# Altium PCB Thermostat_8CH.PCBDOC (part 4 of 10)
Units mil, origin at the board's own origin, x right, y up, seen from the top; angles counter-clockwise.
Board outline 8409.08 x 3937.01 mil, 4 copper layers (TOP, G1, L2, BOT), stack 61.024 mil thick; 941 components, 513 nets, 2912 pads, 1409 vias.
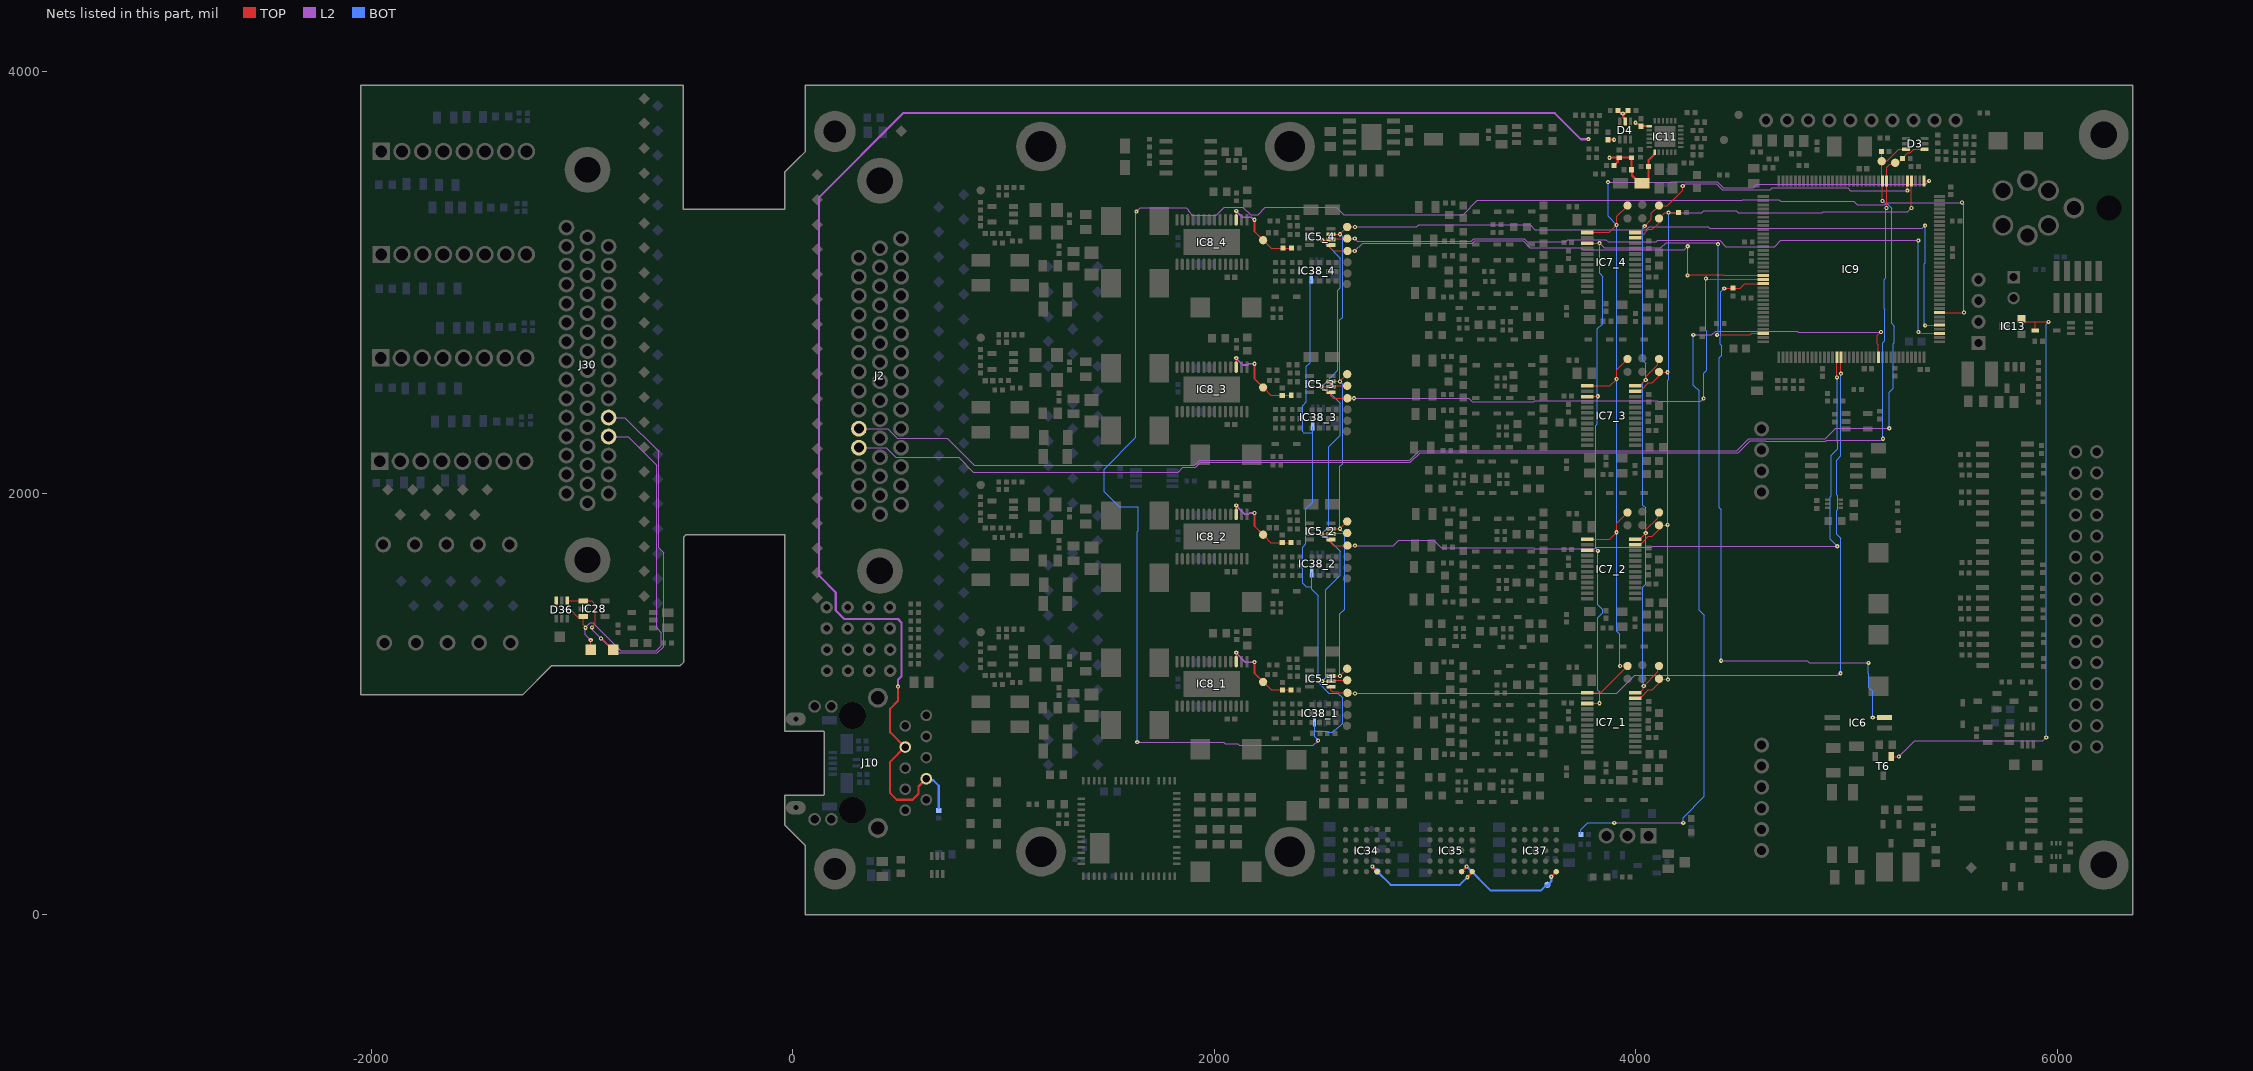
[diagram p6: the nets of this part, all layers, seen from the top]

## Via types
v1: diameter 19.68, hole 7.87, TOP to BOT, tented both sides, 1030 vias
v2: diameter 27.56, hole 15.75, TOP to BOT, tented both sides, 191 vias
v3: diameter 23.62, hole 11.81, TOP to BOT, tented both sides, 97 vias
v4: diameter 23.62, hole 11.81, TOP to BOT, 81 vias
v5: diameter 25.98, hole 12.99, TOP to BOT, tented both sides, 10 vias

## Nets (pads, with @x,y where several pads share a name; then routed paths per layer and width w, separated by ;. In a path a pad name is that pad's centre, name@x,y a point inside that pad or via, vN(x,y) a via of type N, cw(c..) or ccw(c..) an arc to the next point about the centre after c; other vN are vias at no path point) (continued)
ADC_DIN: B3_1.1 B3_2.1 B3_3.1 B3_4.1 IC7_1.12 IC7_2.12 IC7_3.12 IC7_4.12 IC9.5 | length 4211.4
  TOP w5: IC7_1.12@3996.87,1053.08 4017.54,1053.08 4034.47,1070.01 4034.47,1082.92 4103.76,1152.21 4103.76,1174.1 B3_1.1@4110.34,1180.68 ; IC7_4.12@3996.87,3238.12 4017.54,3238.12 4039.23,3259.81 4039.23,3261.03 4043.42,3265.21 v1@4044.64,3265.21 ; IC7_2.12@4017.54,1781.43 v1(4047.23,1811.12) 4049.84,1813.72 4049.84,1828.46 4103.76,1882.38 4103.76,1902.45 B3_2.1@4110.34,1909.03 ; IC7_3.12@4017.54,2509.77 4048.78,2541.01 4048.78,2554.69 4104.28,2610.19 4104.28,2631.31 B3_3.1@4110.34,2637.37 ; v1(4042.04,3267.81) 4074.31,3300.07 4074.31,3329.69 B3_4.1@4110.34,3365.72 4149.74,3365.72 4223,3438.98 v1(4223,3458) ; v1(5288.5,3436.4) IC9.5@5288.5,3482.03
  L2 w5: v1(4223,3458) 4226.97,3458 4237.1,3468.13 4382.43,3468.13 4410.63,3439.92 4638.98,3439.92 4647.88,3448.82 5005.48,3448.82 5017.9,3436.4 v1(5288.5,3436.4)
  BOT w5: v1(4037.28,1085.73) 4035.47,1087.54 4035.47,1103.07 4033.94,1104.6 4033.94,1555.22 4047.23,1568.52 v1(4047.23,1811.12) 4047.23,1930.55 4033.94,1943.85 4033.94,2524.05 v1(4047.23,2537.34) 4047.23,2617.95 4033.94,2631.25 4033.94,3259.71 v1(4042.04,3267.81)
ADC_DOUT/RDYn: B4_1.1 B4_2.1 B4_3.1 B4_4.1 IC7_1.11 IC7_2.11 IC7_3.11 IC7_4.11 IC9.4 R226.1 | length 4282
  TOP w5: IC7_1.11@3996.87,1027.49 4017.54,1027.49 4026.78,1036.72 4029.89,1036.72 4060.07,1066.9 4077.28,1066.9 B4_1.1@4110.34,1099.96 ; IC7_4.11@3996.87,3212.53 4017.54,3212.53 4026.78,3221.76 4029.89,3221.76 4060.07,3251.94 4077.28,3251.94 B4_4.1@4110.34,3285 ; IC7_2.11@4017.54,1755.84 4026.78,1765.07 4029.89,1765.07 4060.07,1795.25 4077.28,1795.25 B4_2.1@4110.34,1828.31 ; IC7_3.11@4017.54,2484.18 4026.78,2493.42 4029.89,2493.42 4060.07,2523.6 4077.28,2523.6 B4_3.1@4110.34,2556.65 ; B4_1.1@4110.26,1119.42 4112.14,1117.54 4150.78,1117.54 v1(4152.66,1115.66) ; B4_2.1@4110.26,1847.77 4111.37,1848.88 4149.88,1848.88 v1(4151,1850) ; B4_3.1@4110.26,2576.11 4111.04,2575.33 4150.22,2575.33 v1(4151,2574.54) ; B4_4.1@4110.26,3304.46 4137.61,3331.81 v1(4155.42,3331.81) R226.1@4204.82,3331.81 ; v1(5308.18,3354.09) IC9.4@5308.18,3482.03
  L2 w5: v1(4155.42,3331.81) 4312.88,3331.81 4322.41,3341.34 4475.9,3341.34 4485.43,3331.81 4885.67,3331.81 4889.71,3335.86 5289.95,3335.86 v1(5308.18,3354.09)
  BOT w5: v1(4152.66,1115.66) 4151,1117.32 4151.83,1118.15 4151.83,2537.34 4155.42,2540.94 v1(4155.42,3331.81)
ADC_SCLK: B2_1.1 B2_2.1 B2_3.1 B2_4.1 IC7_1.13 IC7_2.13 IC7_3.13 IC7_4.13 IC9.1 | length 4987.8
  TOP w5: IC7_1.13@3768.53,1053.08 3833.13,1053.08 B2_1.1@3960.73,1180.68 v1(3925.35,1180.68) ; IC7_2.13@3768.53,1781.43 3875.43,1781.43 3907.61,1813.61 v1@3910.39,1813.61 ; IC7_3.13@3768.53,2509.77 3876.77,2509.77 3908.29,2541.29 3909.71,2541.29 v1(3909,2542) 3909,2585.64 B2_3.1@3960.73,2637.37 ; IC7_4.13@3768.53,3238.12 3874.12,3238.12 3906.96,3270.96 3911.04,3270.96 v1(3909,3273) 3909,3313.99 B2_4.1@3960.73,3365.72 ; v1(3909,1815) 3909,1857.3 B2_2.1@3960.73,1909.03 ; IC9.1@5367.24,3482.03 5391.3,3482.03 v1(5391.77,3482.5)
  L2 w5: v1(3868.17,3476.75) 4167.33,3476.75 4168.71,3478.13 4386.57,3478.13 4414.78,3449.92 4557.44,3449.92 4572.97,3465.46 5374.73,3465.46 v1(5391.77,3482.5)
  BOT w5: v1(3868.17,3476.75) 3868.17,3313.83 v1(3909,3273) v1(3909,2542) v1(3909,1815) 3909,1344.8 3923,1330.8 v1@3923,1182
ADC_SYNC: IC7_1.15 IC7_2.15 IC7_3.15 IC7_4.15 IC9.70 | length 3693.9
  TOP w5: IC7_1.15@3768.53,1001.9 3770.39,1003.76 v1(3827.86,1003.76) ; IC7_2.15@3768.53,1730.25 3771.81,1726.96 v1(3820.06,1726.96) ; IC7_3.15@3768.53,2458.59 3770.39,2460.45 v1(3820.06,2460.45) ; IC7_4.15@3768.53,3186.94 v1(3827.86,3186.94) ; v1(4386,2752) 4386.05,2751.95 4543.34,2751.95 4549.99,2758.6 IC9.70@4604.44,2758.6
  L2 w5: v1(3827.86,3186.94) 3849.51,3165.29 4118.99,3165.29 4143.68,3189.98 4378.68,3189.98 4386.03,3182.64 v1(4390,3182.64)
  BOT w5: v1(3827.86,1003.76) 3827.86,1057.98 3820.06,1065.78 3820.06,1408.51 3843.56,1432.01 3843.56,1446.38 3820.06,1469.88 v1(3820.06,1726.96) 3820.06,1729.13 3808.88,1740.31 3808.88,2320.36 3818,2329.49 3818,2780.01 3843.56,2805.57 3843.56,3027.98 3827.86,3043.69 v1(3827.86,3186.94) ; v1(4386,2752) 4390,2756 v1(4390,3182.64)
AFE_SCL: B15.1 D3.3 IC9.11 J2.35 R61.1 | length 6519.2
  TOP w5: R61.1@5165.12,3622.6 5166.61,3621.11 B15.1@5166.61,3585.83 ; v1(5170.58,3386.79) 5170.48,3386.89 5170.48,3481.93 5166.61,3485.81 B15.1@5166.61,3576.24 5169.35,3578.98 5193.79,3578.98 5247.69,3632.87 5256.28,3632.87 D3.3@5282.48,3632.87
  L2 w5: J2.35@313,2306.58 313.49,2306.09 449.99,2306.09 494.4,2261.68 733.4,2261.68 860.98,2134.09 1908.02,2134.09 1931.53,2157.61 2926.35,2157.61 2971.68,2202.94 4479.8,2202.94 4535.51,2258.65 4898.9,2258.65 4948.57,2308.33 v1(5202.79,2308.33)
  BOT w5: v1(5170.58,3386.79) 5172.57,3386.79 5185.92,3373.44 5194.16,3373.44 5214.03,3353.57 5214.03,2806.77 5227.1,2793.7 5227.1,2714.82 5221.78,2709.5 5221.78,2498.72 5202.79,2479.73 v1(5202.79,2308.33)
AFE_SDA: B14.1 D3.4 IC9.10 J2.34 R53.1 | length 6487.6
  TOP w5: v1(5189.35,3353.73) 5189.71,3354.09 5189.71,3481.67 IC9.10@5190.07,3482.03 5190.07,3547.89 5203.89,3561.71 5224.36,3561.71 5237.51,3574.86 5251.73,3574.86 5265.85,3588.98 5265.85,3590.55 5291.37,3616.07 5302.86,3616.07 5319.66,3632.87 D3.4@5369.09,3632.87
  L2 w5: J2.34@313,2216.43 313.49,2215.93 443.55,2215.93 487.96,2171.52 786.15,2171.52 856.67,2101 1827.68,2101 1850.77,2124.09 1912.16,2124.09 1935.67,2147.61 2930.49,2147.61 2975.82,2192.94 4486.34,2192.94 4542.06,2248.65 4614.64,2248.65 4616.96,2246.32 4900.71,2246.32 4906.15,2251.76 5165.76,2251.76 v1(5173,2259)
  BOT w5: v1(5173,2259) 5172.73,2259.27 5172.73,2715.13 5180.66,2723.06 5180.66,2874.1 5179.35,2875.41 5179.35,3014.5 5186.63,3021.79 5186.63,3351.02 v1(5189.35,3353.73)
AT_EVENT: IC6.4 IC9.58 R67.1 | length 3007.5
  TOP w5: v1(4419.5,2972.46) 4421,2973.96 R67.1@4460.37,2973.96 4495.08,2973.96 4515.94,2994.82 IC9.58@4604.44,2994.82 ; v1(5124.41,935.27) 5125.62,936.48 IC6.4@5180.42,936.48
  L2 w5: v1(4404.84,1205) 4813.99,1205 4822.2,1196.79 v1@5103.35,1196.79
  BOT w5: v1(4404.84,1205) 4404.84,1922.67 4397.03,1930.49 4397.03,2644.18 4407.34,2654.5 4407.34,2700.34 4399.98,2707.7 4399.98,2741.45 4403.34,2744.82 4403.34,2956.3 v1(4419.5,2972.46) ; v1(5103.35,1195.33) 5103.35,1143.14 5106.06,1140.43 5106.06,1078.34 5124.41,1059.98 v1(5124.41,935.27)
AVDDT_PHY: C77.1 C79.1 C80.2 C81.2 C85.2 C88.2 D4.5 IC11.1 IC11.19 J10.4 J10.7 L7.1 R12.2 R15.2 R18.1 R19.1 | length 8195.8
  TOP w10: v1(498.77,1082.52) 498.77,1014.99 461.11,977.33 461.11,866.07 J10.7@531.32,795.87 ; J10.4@633.04,645.87 595.85,608.68 595.85,574.2 567.52,545.87 492.54,545.87 461.11,577.3 461.11,725.66 J10.7@531.32,795.87 ; C80.2@3868.17,3678.07 v1(3896.99,3678.07) ; v1(3875,3592.52) 3875.1,3592.62 3920.6,3592.62 3914.28,3586.3 3914.28,3572.53 3897.27,3555.51 L7.1@3897.27,3555.12 ; R12.2@3915.77,3817.34 3915.77,3816.55 3928.85,3803.47 3936.16,3803.47 v1(3938.01,3801.62) ; R18.1@3921.48,3592.72 R19.1@3979.9,3592.72 3980,3592.61 3980,3535.53 3981.72,3533.82 3981.72,3508.23 4018.49,3471.46 4040.15,3471.46 4059.75,3491.06 4059.75,3516.99 4059.83,3517.07 4059.83,3580.51 4088.85,3609.53 4088.85,3617.6 IC11.1@4089.36,3618.11 ; D4.5@3949.2,3764.96 3949.2,3775.79 3941.48,3783.5 3941.48,3787.8 3940.4,3788.88 3940.4,3794.98 3938.01,3797.37 v1(3938.01,3801.62) ; R15.2@3963.22,3817 3963.22,3816.21 3950.48,3803.47 3939.86,3803.47 v1(3938.01,3801.62) ; v1(3999.02,3758.48) 4001.64,3758.48 4010.82,3749.3 4017.19,3749.3 C79.1@4024.4,3742.09 IC11.19@4063.77,3742.13 ; J10.7@531.32,795.87 J10.7@533.04,795.87 J10.7@531.32,795.87
  L2 w10: v1(498.77,1082.52) 498.77,1115.38 515.41,1132.01 515.41,1386.4 498.48,1403.33 243.11,1403.33 202.99,1443.45 202.99,1529.29 124.02,1608.27 124.02,3405.63 522.52,3804.13 3615.39,3804.13 3739.48,3680.05 3774.25,3680.05 v1(3774.82,3680.62)
  BOT w10: J10.4@633.04,645.87 640.47,638.43 665.8,638.43 692.02,612.2 692.02,507.66
BB_SCL: D36.4 IC28.1 J30.35 TP5.1 | length 1987.7
  TOP w5: D36.4@-1071.69,1491.14 -1069.72,1489.17 IC28.1@-994.92,1489.17 -954.9,1489.17 -937.08,1471.35 -937.08,1380.11 -951.49,1365.7 -951.82,1365.7 v1(-953.8,1363.72) ; v1(-911,1311) -907.3,1311 TP5.1@-853.19,1256.89
  L2 w5: v1(-953.8,1363.72) -952.03,1363.72 -949.1,1360.79 -949.1,1349.1 v1(-911,1311) -842.25,1242.25 -644.19,1242.25 -613.92,1272.51 -613.92,1718.42 -637,1741.5 -637,2199 -797.38,2359.38 J30.35@-874.82,2359.38
BB_SDA: D36.6 IC28.3 J30.34 TP4.1 | length 1930.7
  TOP w5: D36.6@-1122.87,1491.14 -1117.5,1485.77 -1117.5,1464.2 -1101.92,1448.62 -1057.74,1448.62 -1023.49,1414.37 IC28.3@-994.92,1414.37 -994.92,1376.21 -984.4,1365.7 v1(-984.4,1362.2) ; v1(-959.78,1303.29) -958.5,1302.01 TP4.1@-958.5,1256.89
  L2 w5: v1(-959.78,1303.29) -984.4,1327.91 v1(-984.4,1362.2) -961.61,1385 -950.56,1385 -817.81,1252.25 -648.33,1252.25 -623.92,1276.65 -623.92,1338.3 -647,1361.38 -647,2134 -782.22,2269.22 J30.34@-874.82,2269.22
clkoutA: B20.1 IC34.B5 IC35.A5 | length 563.2
  TOP w10: v1(2749.56,228.74) 2771.24,207.07 IC34.B5@2772.11,207.07 ; v1@3203.77,181.28 IC35.A5@3224.61,202.24
  BOT w10: v1(2749.56,228.74) 2772.92,205.38 2773.66,205.38 2837.04,142 3164.51,142 v1(3200.71,178.2)
clkoutB: B21.1 IC35.B5 IC37.A5 | length 559.8
  TOP w10: IC35.B5@3173.09,204.55 3173.17,204.63 v1@3193.93,225.51 ; v1(3598.46,180.52) IC37.A5@3622.36,204.55
  BOT w10: v1(3196.99,228.58) 3311.4,114.18 3548.72,114.18 3572.07,137.53 3584.83,137.53 3586.26,136.1 3586.26,145.43 3598.46,157.62 v1(3598.46,180.52)
CPU_RESETn: D5.1 IC13.2 T6.1 | length 2927.3
  TOP w5: T6.1@5211.23,750.62 v1(5248.2,750.62) ; IC13.2@5830.26,2829.16 5845.76,2813.66 5895.92,2813.66 ; D5.1@5895.92,2771.89 5895.92,2813.66 ; v1(5958.3,2813.39) 5958.02,2813.66 5895.92,2813.66
  L2 w5: v1(5248.2,750.62) 5322.58,825 5932.07,825 v1(5948,840.93)
  BOT w5: v1(5948,840.93) 5948,2803.08 v1(5958.3,2813.39)
CurrentSet_1: B22_1.1 C127_1.1 IC8_1.3 R142_1.1 | length 411
  TOP w5: B22_1.1@2226,1107 2228.83,1107 B22_1.1@2231.3,1104.53 2268.83,1067 R142_1.1@2363.5,1067
  TOP w8: IC8_1.3@2103.62,1200.98 v1(2103.62,1243.85) ; v1(2190.01,1198.56) 2190.01,1145.83 B22_1.1@2228.83,1107
  L2 w8: v1(2103.62,1243.85) 2103.62,1241.74 2146.81,1198.56 v1(2190.01,1198.56)
CurrentSet_2: B22_2.1 C127_2.1 IC8_2.3 R142_2.1 | length 416.8
  TOP w5: B22_2.1@2231,1799 2235.65,1799 2268.65,1766 R142_2.1@2363.5,1766
  TOP w8: IC8_2.3@2103.62,1899.8 v1(2103.62,1942.67) ; v1(2190.01,1906.65) 2190.01,1844.64 B22_2.1@2231.3,1803.35
  L2 w8: v1(2103.62,1942.67) 2103.62,1940.56 2143.38,1900.81 2162.19,1900.81 2168.03,1906.65 v1(2190.01,1906.65)
CurrentSet_3: B22_3.1 C127_3.1 IC8_3.3 R142_3.1 | length 427.2
  TOP w5: B22_3.1@2227,2498 2235.47,2498 2268.47,2465 R142_3.1@2364.5,2465
  TOP w8: IC8_3.3@2103.62,2598.62 v1(2103.62,2641.49) ; v1(2190.01,2614.69) 2190.01,2543.46 B22_3.1@2231.3,2502.17
  L2 w8: v1(2103.62,2641.49) 2103.62,2639.38 2134.16,2608.84 2157.58,2608.84 2163.42,2614.69 v1(2190.01,2614.69)
CurrentSet_4: B22_4.1 C127_4.1 IC8_4.3 R142_4.1 | length 416.2
  TOP w5: B22_4.1@2230,3199 2233.29,3199 2269.01,3163.28 C127_4.1@2326,3163.28 2366.72,3163.28 R142_4.1@2368,3162 ; B22_4.1@2231.89,3200.4 B22_4.1@2232.49,3200.99
  TOP w8: IC8_4.3@2103.62,3297.44 v1(2103.62,3340.31) ; v1(2190.01,3297.9) 2190.01,3242.28 B22_4.1@2231.3,3200.99
  L2 w8: v1(2103.62,3340.31) 2103.62,3338.2 2132.43,3309.4 2162.94,3309.4 2163.12,3309.22 2175.52,3309.22 2186.84,3297.9 v1(2190.01,3297.9)
DAC_SCLK: B12_1.1 B12_2.1 B12_3.1 B12_4.1 IC5_1.6 IC5_2.6 IC5_3.6 IC5_4.6 IC9.111 | length 6113.3
  TOP w5: v1(2508.73,1807.09) 2552.36,1807.09 IC5_2.6@2553.15,1806.3 2558.07,1811.22 B12_2.1@2630.41,1811.22 ; v1(2508.73,2505.91) 2552.36,2505.91 IC5_3.6@2553.15,2505.12 2558.07,2510.04 B12_3.1@2630.41,2510.04 ; v1(2511.81,3200.78) 2549.99,3200.78 2558.07,3208.86 B12_4.1@2630.41,3208.86 v1(2666.34,3208.86) ; v1(2512.02,1108.2) 2552.43,1108.2 IC5_1.6@2553.15,1107.48 2558.07,1112.4 B12_1.1@2630.41,1112.4 ; v1(5340.68,2765.33) 5344.65,2765.33 5351.38,2758.6 IC9.111@5441.06,2758.6
  L2 w5: v1(2666.34,3208.86) 2667.24,3208.86 2679.05,3197.05 3219.59,3197.05 3230.27,3207.73 3470.43,3207.73 3484.53,3193.63 3665.33,3193.63 3675.98,3204.28 3856.78,3204.28 3868.17,3192.89 4097.53,3192.89 4104.62,3199.98 4397.18,3199.98 4426.14,3171.02 4658.16,3171.02 4687.11,3199.98 v1(5340.68,3199.98)
  BOT w5: v1(2511.81,3200.78) 2511.95,3200.78 2533.46,3179.28 2535.26,3179.28 2598.05,3116.49 2598.05,2975.08 2585.96,2962.99 2585.96,2583.14 v1(2508.73,2505.91) 2535.06,2479.57 2545.66,2479.57 2598.05,2427.19 2598.05,2275.72 2543.46,2221.13 2543.46,1841.82 v1(2508.73,1807.09) 2544.06,1771.75 2550.83,1771.75 2598.05,1724.53 2598.05,1609.97 2529.28,1541.2 2529.28,1125.46 v1(2512.02,1108.2) ; v1(5340.68,2765.33) v1(5340.68,3199.98)
DAC_SDIN: B11_1.1 B11_2.1 B11_3.1 B11_4.1 IC5_1.7 IC5_2.7 IC5_3.7 IC5_4.7 IC9.113 | length 5817.4
  TOP w5: IC5_1.7@2553.15,1133.07 v1(2595.96,1133.07) B11_1.1@2630.41,1167.52 ; IC5_2.7@2553.15,1831.89 v1(2595.96,1831.89) B11_2.1@2630.41,1866.34 ; IC5_3.7@2553.15,2530.71 v1(2595.96,2530.71) B11_3.1@2630.41,2565.16 ; IC5_4.7@2553.15,3229.53 v1(2595.96,3229.53) B11_4.1@2630.41,3263.98 v1(2667.47,3263.98) ; v1(5373.03,2796.85) 5373.6,2797.41 5440.49,2797.41 IC9.113@5441.06,2797.97
  L2 w5: v1(2667.47,3263.98) 2961.45,3263.98 2970.82,3273.34 3498.58,3273.34 3521.46,3250.47 4049.23,3250.47 4063.98,3265.22 4343.33,3265.22 4351.53,3257.03 5359.65,3257.03 v1(5373.03,3270.41)
  BOT w5: v1(2595.96,1133.07) 2595.96,1427.17 2618.05,1449.26 2618.05,1809.8 v1(2595.96,1831.89) 2595.96,2128.26 2608.05,2140.35 2608.05,2518.28 2595.96,2530.37 2595.96,2824.46 2608.05,2836.55 2608.05,3217.09 2595.96,3229.19 v1(2595.96,3229.53) ; v1(5373.03,2796.85) 5373.03,2800.82 5368.88,2804.98 5368.88,3090.32 5373.03,3094.48 v1(5373.03,3270.41)
DAC_SYNCn0: B13_1.1 IC5_1.5 IC9.88 | length 4000.3
  TOP w5: IC5_1.5@2553.15,1081.89 2553.15,1065.53 2559.59,1059.09 2584.68,1059.09 2590.42,1053.35 B13_1.1@2631.39,1053.35 2633.06,1051.68 2665.81,1051.68 v1(2667.47,1050.01) ; v1(4973.54,2567.91) IC9.88@4973.54,2645.41
  L2 w5: v1(2667.47,1050.01) 2667.61,1050.15 3909.24,1050.15 3995.14,1136.05 4957.97,1136.05 4967.97,1146.05 v1(4971.95,1146.05)
  BOT w5: v1@4973.54,1146.05 4973.54,1786.24 4954.13,1805.65 4954.13,1918.41 4958.29,1922.57 4958.29,1989.67 4954.13,1993.84 4954.13,2157.67 4973.54,2177.08 v1(4973.54,2567.91)
DAC_SYNCn1: B13_2.1 IC5_2.5 IC9.87 | length 3383.1
  TOP w5: IC5_2.5@2553.15,1780.71 2553.15,1764.35 2565.33,1752.17 B13_2.1@2631.39,1752.17 2631.62,1751.94 2667.25,1751.94 v1(2667.47,1751.72) ; IC9.87@4953.85,2645.41 4954.43,2644.84 4954.43,2550.57 v1(4955,2550)
  L2 w5: v1(2667.47,1751.72) 2849.89,1751.72 2875.52,1777.34 3040.19,1777.34 3076.51,1741.02 3268.75,1741.02 ; 3268.76,1741.04 3514.86,1741.04 3518.96,1736.94 3805.51,1736.94 3812.87,1744.3 4072.31,1744.3 4077.01,1749 v1(4956.19,1749)
  BOT w5: v1(4955,2550) 4955,2244.88 4958.29,2241.6 4958.29,2210.89 4928.44,2181.04 4928.44,1988.17 4923.6,1983.33 4923.6,1781.59 v1(4956.19,1749)
DAC_SYNCn2: B13_3.1 IC5_3.5 IC9.57 | length 2655
  TOP w5: IC5_3.5@2553.15,2479.53 2553.15,2463.17 2564.28,2452.04 2589.37,2452.04 2590.42,2450.98 v1(2662.54,2450.98) ; v1(4332.19,3019.1) 4334.49,3016.81 4602.14,3016.81 IC9.57@4604.44,3014.51
  L2 w5: v1(2662.54,2450.98) 3206.57,2450.98 3222.85,2434.7 3516.06,2434.7 3519.41,2438.05 4102.05,2438.05 4103.15,2436.95 4308.99,2436.95 v1(4321.85,2449.8)
  BOT w5: v1(4321.85,2449.8) 4321.85,2569.06 4336.15,2583.36 4336.15,2769.79 4332.19,2773.75 v1(4332.19,3019.1)
DAC_SYNCn3: B13_4.1 IC5_4.5 IC9.56 | length 2257.9
  TOP w5: IC5_4.5@2553.15,3178.35 2553.15,3161.99 2565.33,3149.8 v1(2666.34,3149.8) ; v1(4245.85,3034.19) 4248.11,3036.45 4415.37,3036.45 4417.63,3034.19 IC9.56@4604.44,3034.19
  L2 w5: v1(2666.34,3149.8) 2703.58,3187.05 3223.73,3187.05 3234.41,3197.73 3466.29,3197.73 3497.62,3166.4 3739.69,3166.4 3750.79,3155.29 4228.71,3155.29 v1(4246.05,3172.64)
  BOT w5: v1(4245.85,3034.19) 4245.95,3034.29 4245.95,3172.54 v1(4246.05,3172.64)
FAN_PWM: C82.1 IC9.97 | length 3934.2
  TOP w5: IC9.97@5150.7,2645.41 5150.7,2704.08 5145.97,2708.81 5145.97,2749.89 5161.42,2765.33 v1(5163.31,2765.33)
  L2 w5: v1(3897.83,435.95) v1(4225.39,435.95) ; v1(4272.28,2752) 4361.47,2752 4378.82,2769.34 4767.07,2769.34 4771.08,2765.33 v1(5163.31,2765.33)
  BOT w5: C82.1@3739.67,381.1 3739.67,402.92 3772.46,435.7 3899.32,435.7 3899.07,435.95 v1(3897.83,435.95) ; v1(4225.39,435.95) 4224.41,436.94 4224.41,460.63 4325,561.22 4325,1420.49 4300,1445.49 4300,2485.6 4272.28,2513.32 v1(4272.28,2752)
Freq: IC9.116 IC38_1.3 IC38_2.3 IC38_3.3 IC38_4.3 | length 10917.2
  TOP w5: IC9.116@5441.06,2857.03 5441.68,2857.65 5556.47,2857.65 v1(5557.09,2858.27)
  L2 w5: v1(1629.92,3336.61) 1647.37,3354.06 1866.29,3354.06 1877.34,3343.01 1877.34,3337.4 1895.08,3319.66 2009.18,3319.66 2047.18,3357.65 2135.35,3357.65 2172.28,3320.72 2207.81,3320.72 2225.18,3338.09 2225.18,3340.31 2242.56,3357.68 2578.5,3357.68 2613.19,3323 3180.57,3323 3247.48,3389.91 4504.32,3389.91 4508.54,3394.13 4678.18,3394.13 4686.85,3385.47 5034.89,3385.47 5050.91,3369.45 5180.54,3369.45 5191.01,3379.92 v1(5548.17,3379.92) ; v1(1633.86,818.9) 2043.31,818.9 2051.18,811.02 2110.24,811.02 2118.11,803.15 2468.5,803.15 v1(2492.13,826.77)
  BOT w5: v1(1629.92,3336.61) 1627.95,3334.65 1627.95,2266.22 1476.38,2114.64 1476.38,2007.87 1547.49,1936.76 1638.72,1936.76 1638.72,1823.01 1633.86,1818.15 v1(1633.86,818.9) ; IC38_4.3@2459.85,3013.34 2455.06,3008.56 2455.06,2619.76 2437.13,2601.82 2437.13,2434.14 2418.22,2415.24 2418.22,2291.3 2421.15,2288.37 2466.54,2288.37 ; IC38_2.3@2462.72,1622.35 2462.72,1557.6 ; IC38_3.3@2466.54,2316.88 2466.54,2288.37 ; IC38_1.3@2475.39,912.83 2475.39,875 ; v1(2492.13,826.77) 2475.39,843.5 2475.39,875 ; v1(5548.17,3379.92) 5548.17,3375.95 5555.52,3368.61 5555.52,2859.84 v1(5557.09,2858.27) ; 2462.72,1557.6 2462.72,1543.59 2492.13,1514.19 2492.13,1103.57 2543.46,1052.23 2584.53,1052.23 2608.05,1028.71 2608.05,909.75 2576.25,877.95 2570.87,877.95 2559.06,866.14 2537.4,866.14 2533.46,870.08 2480.32,870.08 2475.39,875 ; 2462.72,1557.6 2439.79,1557.6 2439.28,1557.09 2435.13,1557.09 2418.22,1574 2418.22,1743.9 2434.15,1759.83 2434.15,1926.03 2466.54,1958.42 2466.54,2288.37